# Allegro board LED_FIN.brd (continued)
## Placement (name value [footprint] x y rotation side) (continued)
D6136  0603_LED  [0603_SINGLE]  127.25 288 0 top
D6137  0603_LED  [0603_SINGLE]  129.25 288 0 top
D6138  0603_LED  [0603_SINGLE]  131.25 288 0 top
D6139  0603_LED  [0603_SINGLE]  133.25 288 0 top
D6140  0603_LED  [0603_SINGLE]  135.25 288 0 top
D6141  0603_LED  [0603_SINGLE]  137.25 288 0 top
D6142  0603_LED  [0603_SINGLE]  139.25 288 0 top
D6143  0603_LED  [0603_SINGLE]  141.25 288 0 top
D6144  0603_LED  [0603_SINGLE]  143.25 288 0 top
D6145  0603_LED  [0603_SINGLE]  145.25 288 0 top
D6146  0603_LED  [0603_SINGLE]  147.25 288 0 top
D6147  0603_LED  [0603_SINGLE]  149.25 288 0 top
D6148  0603_LED  [0603_SINGLE]  151.25 288 0 top
D6149  0603_LED  [0603_SINGLE]  153.25 288 0 top
D6150  0603_LED  [0603_SINGLE]  155.25 288 0 top
D6151  0603_LED  [0603_SINGLE]  97.25 286 0 top
D6152  0603_LED  [0603_SINGLE]  99.25 286 0 top
D6153  0603_LED  [0603_SINGLE]  101.25 286 0 top
D6154  0603_LED  [0603_SINGLE]  103.25 286 0 top
D6155  0603_LED  [0603_SINGLE]  105.25 286 0 top
D6156  0603_LED  [0603_SINGLE]  107.25 286 0 top
D6157  0603_LED  [0603_SINGLE]  109.25 286 0 top
D6158  0603_LED  [0603_SINGLE]  111.25 286 0 top
D6159  0603_LED  [0603_SINGLE]  113.25 286 0 top
D6160  0603_LED  [0603_SINGLE]  115.25 286 0 top
D6161  0603_LED  [0603_SINGLE]  117.25 286 0 top
D6162  0603_LED  [0603_SINGLE]  119.25 286 0 top
D6163  0603_LED  [0603_SINGLE]  121.25 286 0 top
D6164  0603_LED  [0603_SINGLE]  123.25 286 0 top
D6165  0603_LED  [0603_SINGLE]  125.25 286 0 top
D6166  0603_LED  [0603_SINGLE]  127.25 286 0 top
D6167  0603_LED  [0603_SINGLE]  129.25 286 0 top
D6168  0603_LED  [0603_SINGLE]  131.25 286 0 top
D6169  0603_LED  [0603_SINGLE]  133.25 286 0 top
D6170  0603_LED  [0603_SINGLE]  135.25 286 0 top
D6171  0603_LED  [0603_SINGLE]  137.25 286 0 top
D6172  0603_LED  [0603_SINGLE]  139.25 286 0 top
D6173  0603_LED  [0603_SINGLE]  141.25 286 0 top
D6174  0603_LED  [0603_SINGLE]  143.25 286 0 top
D6175  0603_LED  [0603_SINGLE]  145.25 286 0 top
D6176  0603_LED  [0603_SINGLE]  147.25 286 0 top
D6177  0603_LED  [0603_SINGLE]  149.25 286 0 top
D6178  0603_LED  [0603_SINGLE]  151.25 286 0 top
D6179  0603_LED  [0603_SINGLE]  153.25 286 0 top
D6180  0603_LED  [0603_SINGLE]  155.25 286 0 top
D6181  0603_LED  [0603_SINGLE]  97.25 284 0 top
D6182  0603_LED  [0603_SINGLE]  99.25 284 0 top
D6183  0603_LED  [0603_SINGLE]  101.25 284 0 top
D6184  0603_LED  [0603_SINGLE]  103.25 284 0 top
D6185  0603_LED  [0603_SINGLE]  105.25 284 0 top
D6186  0603_LED  [0603_SINGLE]  107.25 284 0 top
D6187  0603_LED  [0603_SINGLE]  109.25 284 0 top
D6188  0603_LED  [0603_SINGLE]  111.25 284 0 top
D6189  0603_LED  [0603_SINGLE]  113.25 284 0 top
D6190  0603_LED  [0603_SINGLE]  115.25 284 0 top
D6191  0603_LED  [0603_SINGLE]  117.25 284 0 top
D6192  0603_LED  [0603_SINGLE]  119.25 284 0 top
D6193  0603_LED  [0603_SINGLE]  121.25 284 0 top
D6194  0603_LED  [0603_SINGLE]  123.25 284 0 top
D6195  0603_LED  [0603_SINGLE]  125.25 284 0 top
D6196  0603_LED  [0603_SINGLE]  127.25 284 0 top
D6197  0603_LED  [0603_SINGLE]  129.25 284 0 top
D6198  0603_LED  [0603_SINGLE]  131.25 284 0 top
D6199  0603_LED  [0603_SINGLE]  133.25 284 0 top
D6200  0603_LED  [0603_SINGLE]  135.25 284 0 top
D6201  0603_LED  [0603_SINGLE]  137.25 284 0 top
D6202  0603_LED  [0603_SINGLE]  139.25 284 0 top
D6203  0603_LED  [0603_SINGLE]  141.25 284 0 top
D6204  0603_LED  [0603_SINGLE]  143.25 284 0 top
D6205  0603_LED  [0603_SINGLE]  145.25 284 0 top
D6206  0603_LED  [0603_SINGLE]  147.25 284 0 top
D6207  0603_LED  [0603_SINGLE]  149.25 284 0 top
D6208  0603_LED  [0603_SINGLE]  151.25 284 0 top
D6209  0603_LED  [0603_SINGLE]  153.25 284 0 top
D6210  0603_LED  [0603_SINGLE]  155.25 284 0 top
D6211  0603_LED  [0603_SINGLE]  97.25 282 0 top
D6212  0603_LED  [0603_SINGLE]  99.25 282 0 top
D6213  0603_LED  [0603_SINGLE]  101.25 282 0 top
D6214  0603_LED  [0603_SINGLE]  103.25 282 0 top
D6215  0603_LED  [0603_SINGLE]  105.25 282 0 top
D6216  0603_LED  [0603_SINGLE]  107.25 282 0 top
D6217  0603_LED  [0603_SINGLE]  109.25 282 0 top
D6218  0603_LED  [0603_SINGLE]  111.25 282 0 top
D6219  0603_LED  [0603_SINGLE]  113.25 282 0 top
D6220  0603_LED  [0603_SINGLE]  115.25 282 0 top
D6221  0603_LED  [0603_SINGLE]  117.25 282 0 top
D6222  0603_LED  [0603_SINGLE]  119.25 282 0 top
D6223  0603_LED  [0603_SINGLE]  121.25 282 0 top
D6224  0603_LED  [0603_SINGLE]  123.25 282 0 top
D6225  0603_LED  [0603_SINGLE]  125.25 282 0 top
D6226  0603_LED  [0603_SINGLE]  127.25 282 0 top
D6227  0603_LED  [0603_SINGLE]  129.25 282 0 top
D6228  0603_LED  [0603_SINGLE]  131.25 282 0 top
D6229  0603_LED  [0603_SINGLE]  133.25 282 0 top
D6230  0603_LED  [0603_SINGLE]  135.25 282 0 top
D6231  0603_LED  [0603_SINGLE]  137.25 282 0 top
D6232  0603_LED  [0603_SINGLE]  139.25 282 0 top
D6233  0603_LED  [0603_SINGLE]  141.25 282 0 top
D6234  0603_LED  [0603_SINGLE]  143.25 282 0 top
D6235  0603_LED  [0603_SINGLE]  145.25 282 0 top
D6236  0603_LED  [0603_SINGLE]  147.25 282 0 top
D6237  0603_LED  [0603_SINGLE]  149.25 282 0 top
D6238  0603_LED  [0603_SINGLE]  151.25 282 0 top
D6239  0603_LED  [0603_SINGLE]  153.25 282 0 top
D6240  0603_LED  [0603_SINGLE]  155.25 282 0 top
D6241  0603_LED  [0603_SINGLE]  97.25 280 0 top
D6242  0603_LED  [0603_SINGLE]  99.25 280 0 top
D6243  0603_LED  [0603_SINGLE]  101.25 280 0 top
D6244  0603_LED  [0603_SINGLE]  103.25 280 0 top
D6245  0603_LED  [0603_SINGLE]  105.25 280 0 top
D6246  0603_LED  [0603_SINGLE]  107.25 280 0 top
D6247  0603_LED  [0603_SINGLE]  109.25 280 0 top
D6248  0603_LED  [0603_SINGLE]  111.25 280 0 top
D6249  0603_LED  [0603_SINGLE]  113.25 280 0 top
D6250  0603_LED  [0603_SINGLE]  115.25 280 0 top
D6251  0603_LED  [0603_SINGLE]  117.25 280 0 top
D6252  0603_LED  [0603_SINGLE]  119.25 280 0 top
D6253  0603_LED  [0603_SINGLE]  121.25 280 0 top
D6254  0603_LED  [0603_SINGLE]  123.25 280 0 top
D6255  0603_LED  [0603_SINGLE]  125.25 280 0 top
D6256  0603_LED  [0603_SINGLE]  127.25 280 0 top
D6257  0603_LED  [0603_SINGLE]  129.25 280 0 top
D6258  0603_LED  [0603_SINGLE]  131.25 280 0 top
D6259  0603_LED  [0603_SINGLE]  133.25 280 0 top
D6260  0603_LED  [0603_SINGLE]  135.25 280 0 top
D6261  0603_LED  [0603_SINGLE]  137.25 280 0 top
D6262  0603_LED  [0603_SINGLE]  139.25 280 0 top
D6263  0603_LED  [0603_SINGLE]  141.25 280 0 top
D6264  0603_LED  [0603_SINGLE]  143.25 280 0 top
D6265  0603_LED  [0603_SINGLE]  145.25 280 0 top
D6266  0603_LED  [0603_SINGLE]  147.25 280 0 top
D6267  0603_LED  [0603_SINGLE]  149.25 280 0 top
D6268  0603_LED  [0603_SINGLE]  151.25 280 0 top
D6269  0603_LED  [0603_SINGLE]  153.25 280 0 top
D6270  0603_LED  [0603_SINGLE]  155.25 280 0 top
D6271  0603_LED  [0603_SINGLE]  97.25 278 0 top
D6272  0603_LED  [0603_SINGLE]  99.25 278 0 top
D6273  0603_LED  [0603_SINGLE]  101.25 278 0 top
D6274  0603_LED  [0603_SINGLE]  103.25 278 0 top
D6275  0603_LED  [0603_SINGLE]  105.25 278 0 top
D6276  0603_LED  [0603_SINGLE]  107.25 278 0 top
D6277  0603_LED  [0603_SINGLE]  109.25 278 0 top
D6278  0603_LED  [0603_SINGLE]  111.25 278 0 top
D6279  0603_LED  [0603_SINGLE]  113.25 278 0 top
D6280  0603_LED  [0603_SINGLE]  115.25 278 0 top
D6281  0603_LED  [0603_SINGLE]  117.25 278 0 top
D6282  0603_LED  [0603_SINGLE]  119.25 278 0 top
D6283  0603_LED  [0603_SINGLE]  121.25 278 0 top
D6284  0603_LED  [0603_SINGLE]  123.25 278 0 top
D6285  0603_LED  [0603_SINGLE]  125.25 278 0 top
D6286  0603_LED  [0603_SINGLE]  127.25 278 0 top
D6287  0603_LED  [0603_SINGLE]  129.25 278 0 top
D6288  0603_LED  [0603_SINGLE]  131.25 278 0 top
D6289  0603_LED  [0603_SINGLE]  133.25 278 0 top
D6290  0603_LED  [0603_SINGLE]  135.25 278 0 top
D6291  0603_LED  [0603_SINGLE]  137.25 278 0 top
D6292  0603_LED  [0603_SINGLE]  139.25 278 0 top
D6293  0603_LED  [0603_SINGLE]  141.25 278 0 top
D6294  0603_LED  [0603_SINGLE]  143.25 278 0 top
D6295  0603_LED  [0603_SINGLE]  145.25 278 0 top
D6296  0603_LED  [0603_SINGLE]  147.25 278 0 top
D6297  0603_LED  [0603_SINGLE]  149.25 278 0 top
D6298  0603_LED  [0603_SINGLE]  151.25 278 0 top
D6299  0603_LED  [0603_SINGLE]  153.25 278 0 top
D6300  0603_LED  [0603_SINGLE]  155.25 278 0 top
D6301  0603_LED  [0603_SINGLE]  97.25 276 0 top
D6302  0603_LED  [0603_SINGLE]  99.25 276 0 top
D6303  0603_LED  [0603_SINGLE]  101.25 276 0 top
D6304  0603_LED  [0603_SINGLE]  103.25 276 0 top
D6305  0603_LED  [0603_SINGLE]  105.25 276 0 top
D6306  0603_LED  [0603_SINGLE]  107.25 276 0 top
D6307  0603_LED  [0603_SINGLE]  109.25 276 0 top
D6308  0603_LED  [0603_SINGLE]  111.25 276 0 top
D6309  0603_LED  [0603_SINGLE]  113.25 276 0 top
D6310  0603_LED  [0603_SINGLE]  115.25 276 0 top
D6311  0603_LED  [0603_SINGLE]  117.25 276 0 top
D6312  0603_LED  [0603_SINGLE]  119.25 276 0 top
D6313  0603_LED  [0603_SINGLE]  121.25 276 0 top
D6314  0603_LED  [0603_SINGLE]  123.25 276 0 top
D6315  0603_LED  [0603_SINGLE]  125.25 276 0 top
D6316  0603_LED  [0603_SINGLE]  127.25 276 0 top
D6317  0603_LED  [0603_SINGLE]  129.25 276 0 top
D6318  0603_LED  [0603_SINGLE]  131.25 276 0 top
D6319  0603_LED  [0603_SINGLE]  133.25 276 0 top
D6320  0603_LED  [0603_SINGLE]  135.25 276 0 top
D6321  0603_LED  [0603_SINGLE]  137.25 276 0 top
D6322  0603_LED  [0603_SINGLE]  139.25 276 0 top
D6323  0603_LED  [0603_SINGLE]  141.25 276 0 top
D6324  0603_LED  [0603_SINGLE]  143.25 276 0 top
D6325  0603_LED  [0603_SINGLE]  145.25 276 0 top
D6326  0603_LED  [0603_SINGLE]  147.25 276 0 top
D6327  0603_LED  [0603_SINGLE]  149.25 276 0 top
D6328  0603_LED  [0603_SINGLE]  151.25 276 0 top
D6329  0603_LED  [0603_SINGLE]  153.25 276 0 top
D6330  0603_LED  [0603_SINGLE]  155.25 276 0 top
D6331  0603_LED  [0603_SINGLE]  97.25 274 0 top
D6332  0603_LED  [0603_SINGLE]  99.25 274 0 top
D6333  0603_LED  [0603_SINGLE]  101.25 274 0 top
D6334  0603_LED  [0603_SINGLE]  103.25 274 0 top
D6335  0603_LED  [0603_SINGLE]  105.25 274 0 top
D6336  0603_LED  [0603_SINGLE]  107.25 274 0 top
D6337  0603_LED  [0603_SINGLE]  109.25 274 0 top
D6338  0603_LED  [0603_SINGLE]  111.25 274 0 top
D6339  0603_LED  [0603_SINGLE]  113.25 274 0 top
D6340  0603_LED  [0603_SINGLE]  115.25 274 0 top
D6341  0603_LED  [0603_SINGLE]  117.25 274 0 top
D6342  0603_LED  [0603_SINGLE]  119.25 274 0 top
D6343  0603_LED  [0603_SINGLE]  121.25 274 0 top
D6344  0603_LED  [0603_SINGLE]  123.25 274 0 top
D6345  0603_LED  [0603_SINGLE]  125.25 274 0 top
D6346  0603_LED  [0603_SINGLE]  127.25 274 0 top
D6347  0603_LED  [0603_SINGLE]  129.25 274 0 top
D6348  0603_LED  [0603_SINGLE]  131.25 274 0 top
D6349  0603_LED  [0603_SINGLE]  133.25 274 0 top
D6350  0603_LED  [0603_SINGLE]  135.25 274 0 top
D6351  0603_LED  [0603_SINGLE]  137.25 274 0 top
D6352  0603_LED  [0603_SINGLE]  139.25 274 0 top
D6353  0603_LED  [0603_SINGLE]  141.25 274 0 top
D6354  0603_LED  [0603_SINGLE]  143.25 274 0 top
D6355  0603_LED  [0603_SINGLE]  145.25 274 0 top
D6356  0603_LED  [0603_SINGLE]  147.25 274 0 top
D6357  0603_LED  [0603_SINGLE]  149.25 274 0 top
D6358  0603_LED  [0603_SINGLE]  151.25 274 0 top
D6359  0603_LED  [0603_SINGLE]  153.25 274 0 top
D6360  0603_LED  [0603_SINGLE]  155.25 274 0 top
D6361  0603_LED  [0603_SINGLE]  97.25 272 0 top
D6362  0603_LED  [0603_SINGLE]  99.25 272 0 top
D6363  0603_LED  [0603_SINGLE]  101.25 272 0 top
D6364  0603_LED  [0603_SINGLE]  103.25 272 0 top
D6365  0603_LED  [0603_SINGLE]  105.25 272 0 top
D6366  0603_LED  [0603_SINGLE]  107.25 272 0 top
D6367  0603_LED  [0603_SINGLE]  109.25 272 0 top
D6368  0603_LED  [0603_SINGLE]  111.25 272 0 top
D6369  0603_LED  [0603_SINGLE]  113.25 272 0 top
D6370  0603_LED  [0603_SINGLE]  115.25 272 0 top
D6371  0603_LED  [0603_SINGLE]  117.25 272 0 top
D6372  0603_LED  [0603_SINGLE]  119.25 272 0 top
D6373  0603_LED  [0603_SINGLE]  121.25 272 0 top
D6374  0603_LED  [0603_SINGLE]  123.25 272 0 top
D6375  0603_LED  [0603_SINGLE]  125.25 272 0 top
D6376  0603_LED  [0603_SINGLE]  127.25 272 0 top
D6377  0603_LED  [0603_SINGLE]  129.25 272 0 top
D6378  0603_LED  [0603_SINGLE]  131.25 272 0 top
D6379  0603_LED  [0603_SINGLE]  133.25 272 0 top
D6380  0603_LED  [0603_SINGLE]  135.25 272 0 top
D6381  0603_LED  [0603_SINGLE]  137.25 272 0 top
D6382  0603_LED  [0603_SINGLE]  139.25 272 0 top
D6383  0603_LED  [0603_SINGLE]  141.25 272 0 top
D6384  0603_LED  [0603_SINGLE]  143.25 272 0 top
D6385  0603_LED  [0603_SINGLE]  145.25 272 0 top
D6386  0603_LED  [0603_SINGLE]  147.25 272 0 top
D6387  0603_LED  [0603_SINGLE]  149.25 272 0 top
D6388  0603_LED  [0603_SINGLE]  151.25 272 0 top
D6389  0603_LED  [0603_SINGLE]  153.25 272 0 top
D6390  0603_LED  [0603_SINGLE]  155.25 272 0 top
D6391  0603_LED  [0603_SINGLE]  97.25 270 0 top
D6392  0603_LED  [0603_SINGLE]  99.25 270 0 top
D6393  0603_LED  [0603_SINGLE]  101.25 270 0 top
D6394  0603_LED  [0603_SINGLE]  103.25 270 0 top
D6395  0603_LED  [0603_SINGLE]  105.25 270 0 top
D6396  0603_LED  [0603_SINGLE]  107.25 270 0 top
D6397  0603_LED  [0603_SINGLE]  109.25 270 0 top
D6398  0603_LED  [0603_SINGLE]  111.25 270 0 top
D6399  0603_LED  [0603_SINGLE]  113.25 270 0 top
D6400  0603_LED  [0603_SINGLE]  115.25 270 0 top
D6401  0603_LED  [0603_SINGLE]  117.25 270 0 top
D6402  0603_LED  [0603_SINGLE]  119.25 270 0 top
D6403  0603_LED  [0603_SINGLE]  121.25 270 0 top
D6404  0603_LED  [0603_SINGLE]  123.25 270 0 top
D6405  0603_LED  [0603_SINGLE]  125.25 270 0 top
D6406  0603_LED  [0603_SINGLE]  127.25 270 0 top
D6407  0603_LED  [0603_SINGLE]  129.25 270 0 top
D6408  0603_LED  [0603_SINGLE]  131.25 270 0 top
D6409  0603_LED  [0603_SINGLE]  133.25 270 0 top
D6410  0603_LED  [0603_SINGLE]  135.25 270 0 top
D6411  0603_LED  [0603_SINGLE]  137.25 270 0 top
D6412  0603_LED  [0603_SINGLE]  139.25 270 0 top
D6413  0603_LED  [0603_SINGLE]  141.25 270 0 top
D6414  0603_LED  [0603_SINGLE]  143.25 270 0 top
D6415  0603_LED  [0603_SINGLE]  145.25 270 0 top
D6416  0603_LED  [0603_SINGLE]  147.25 270 0 top
D6417  0603_LED  [0603_SINGLE]  149.25 270 0 top
D6418  0603_LED  [0603_SINGLE]  151.25 270 0 top
D6419  0603_LED  [0603_SINGLE]  153.25 270 0 top
D6420  0603_LED  [0603_SINGLE]  155.25 270 0 top
D6421  0603_LED  [0603_SINGLE]  97.25 268 0 top
D6422  0603_LED  [0603_SINGLE]  99.25 268 0 top
D6423  0603_LED  [0603_SINGLE]  101.25 268 0 top
D6424  0603_LED  [0603_SINGLE]  103.25 268 0 top
D6425  0603_LED  [0603_SINGLE]  105.25 268 0 top
D6426  0603_LED  [0603_SINGLE]  107.25 268 0 top
D6427  0603_LED  [0603_SINGLE]  109.25 268 0 top
D6428  0603_LED  [0603_SINGLE]  111.25 268 0 top
D6429  0603_LED  [0603_SINGLE]  113.25 268 0 top
D6430  0603_LED  [0603_SINGLE]  115.25 268 0 top
D6431  0603_LED  [0603_SINGLE]  117.25 268 0 top
D6432  0603_LED  [0603_SINGLE]  119.25 268 0 top
D6433  0603_LED  [0603_SINGLE]  121.25 268 0 top
D6434  0603_LED  [0603_SINGLE]  123.25 268 0 top
D6435  0603_LED  [0603_SINGLE]  125.25 268 0 top
D6436  0603_LED  [0603_SINGLE]  127.25 268 0 top
D6437  0603_LED  [0603_SINGLE]  129.25 268 0 top
D6438  0603_LED  [0603_SINGLE]  131.25 268 0 top
D6439  0603_LED  [0603_SINGLE]  133.25 268 0 top
D6440  0603_LED  [0603_SINGLE]  135.25 268 0 top
D6441  0603_LED  [0603_SINGLE]  137.25 268 0 top
D6442  0603_LED  [0603_SINGLE]  139.25 268 0 top
D6443  0603_LED  [0603_SINGLE]  141.25 268 0 top
D6444  0603_LED  [0603_SINGLE]  143.25 268 0 top
D6445  0603_LED  [0603_SINGLE]  145.25 268 0 top
D6446  0603_LED  [0603_SINGLE]  147.25 268 0 top
D6447  0603_LED  [0603_SINGLE]  149.25 268 0 top
D6448  0603_LED  [0603_SINGLE]  151.25 268 0 top
D6449  0603_LED  [0603_SINGLE]  153.25 268 0 top
D6450  0603_LED  [0603_SINGLE]  155.25 268 0 top
D6451  0603_LED  [0603_SINGLE]  97.25 266 0 top
D6452  0603_LED  [0603_SINGLE]  99.25 266 0 top
D6453  0603_LED  [0603_SINGLE]  101.25 266 0 top
D6454  0603_LED  [0603_SINGLE]  103.25 266 0 top
D6455  0603_LED  [0603_SINGLE]  105.25 266 0 top
D6456  0603_LED  [0603_SINGLE]  107.25 266 0 top
D6457  0603_LED  [0603_SINGLE]  109.25 266 0 top
D6458  0603_LED  [0603_SINGLE]  111.25 266 0 top
D6459  0603_LED  [0603_SINGLE]  113.25 266 0 top
D6460  0603_LED  [0603_SINGLE]  115.25 266 0 top
D6461  0603_LED  [0603_SINGLE]  117.25 266 0 top
D6462  0603_LED  [0603_SINGLE]  119.25 266 0 top
D6463  0603_LED  [0603_SINGLE]  121.25 266 0 top
D6464  0603_LED  [0603_SINGLE]  123.25 266 0 top
D6465  0603_LED  [0603_SINGLE]  125.25 266 0 top
D6466  0603_LED  [0603_SINGLE]  127.25 266 0 top
D6467  0603_LED  [0603_SINGLE]  129.25 266 0 top
D6468  0603_LED  [0603_SINGLE]  131.25 266 0 top
D6469  0603_LED  [0603_SINGLE]  133.25 266 0 top
D6470  0603_LED  [0603_SINGLE]  135.25 266 0 top
D6471  0603_LED  [0603_SINGLE]  137.25 266 0 top
D6472  0603_LED  [0603_SINGLE]  139.25 266 0 top
D6473  0603_LED  [0603_SINGLE]  141.25 266 0 top
D6474  0603_LED  [0603_SINGLE]  143.25 266 0 top
D6475  0603_LED  [0603_SINGLE]  145.25 266 0 top
D6476  0603_LED  [0603_SINGLE]  147.25 266 0 top
D6477  0603_LED  [0603_SINGLE]  149.25 266 0 top
D6478  0603_LED  [0603_SINGLE]  151.25 266 0 top
D6479  0603_LED  [0603_SINGLE]  153.25 266 0 top
D6480  0603_LED  [0603_SINGLE]  155.25 266 0 top
D6481  0603_LED  [0603_SINGLE]  97.25 264 0 top
D6482  0603_LED  [0603_SINGLE]  99.25 264 0 top
D6483  0603_LED  [0603_SINGLE]  101.25 264 0 top
D6484  0603_LED  [0603_SINGLE]  103.25 264 0 top
D6485  0603_LED  [0603_SINGLE]  105.25 264 0 top
D6486  0603_LED  [0603_SINGLE]  107.25 264 0 top
D6487  0603_LED  [0603_SINGLE]  109.25 264 0 top
D6488  0603_LED  [0603_SINGLE]  111.25 264 0 top
D6489  0603_LED  [0603_SINGLE]  113.25 264 0 top
D6490  0603_LED  [0603_SINGLE]  115.25 264 0 top
D6491  0603_LED  [0603_SINGLE]  117.25 264 0 top
D6492  0603_LED  [0603_SINGLE]  119.25 264 0 top
D6493  0603_LED  [0603_SINGLE]  121.25 264 0 top
D6494  0603_LED  [0603_SINGLE]  123.25 264 0 top
D6495  0603_LED  [0603_SINGLE]  125.25 264 0 top
D6496  0603_LED  [0603_SINGLE]  127.25 264 0 top
D6497  0603_LED  [0603_SINGLE]  129.25 264 0 top
D6498  0603_LED  [0603_SINGLE]  131.25 264 0 top
D6499  0603_LED  [0603_SINGLE]  133.25 264 0 top
D6500  0603_LED  [0603_SINGLE]  135.25 264 0 top
D6501  0603_LED  [0603_SINGLE]  137.25 264 0 top
D6502  0603_LED  [0603_SINGLE]  139.25 264 0 top
D6503  0603_LED  [0603_SINGLE]  141.25 264 0 top
D6504  0603_LED  [0603_SINGLE]  143.25 264 0 top
D6505  0603_LED  [0603_SINGLE]  145.25 264 0 top
D6506  0603_LED  [0603_SINGLE]  147.25 264 0 top
D6507  0603_LED  [0603_SINGLE]  149.25 264 0 top
D6508  0603_LED  [0603_SINGLE]  151.25 264 0 top
D6509  0603_LED  [0603_SINGLE]  153.25 264 0 top
D6510  0603_LED  [0603_SINGLE]  155.25 264 0 top
D6511  0603_LED  [0603_SINGLE]  97.25 262 0 top
D6512  0603_LED  [0603_SINGLE]  99.25 262 0 top
D6513  0603_LED  [0603_SINGLE]  101.25 262 0 top
D6514  0603_LED  [0603_SINGLE]  103.25 262 0 top
D6515  0603_LED  [0603_SINGLE]  105.25 262 0 top
D6516  0603_LED  [0603_SINGLE]  107.25 262 0 top
D6517  0603_LED  [0603_SINGLE]  109.25 262 0 top
D6518  0603_LED  [0603_SINGLE]  111.25 262 0 top
D6519  0603_LED  [0603_SINGLE]  113.25 262 0 top
D6520  0603_LED  [0603_SINGLE]  115.25 262 0 top
D6521  0603_LED  [0603_SINGLE]  117.25 262 0 top
D6522  0603_LED  [0603_SINGLE]  119.25 262 0 top
D6523  0603_LED  [0603_SINGLE]  121.25 262 0 top
D6524  0603_LED  [0603_SINGLE]  123.25 262 0 top
D6525  0603_LED  [0603_SINGLE]  125.25 262 0 top
D6526  0603_LED  [0603_SINGLE]  127.25 262 0 top
D6527  0603_LED  [0603_SINGLE]  129.25 262 0 top
D6528  0603_LED  [0603_SINGLE]  131.25 262 0 top
D6529  0603_LED  [0603_SINGLE]  133.25 262 0 top
D6530  0603_LED  [0603_SINGLE]  135.25 262 0 top
D6531  0603_LED  [0603_SINGLE]  137.25 262 0 top
D6532  0603_LED  [0603_SINGLE]  139.25 262 0 top
D6533  0603_LED  [0603_SINGLE]  141.25 262 0 top
D6534  0603_LED  [0603_SINGLE]  143.25 262 0 top
D6535  0603_LED  [0603_SINGLE]  145.25 262 0 top
D6536  0603_LED  [0603_SINGLE]  147.25 262 0 top
D6537  0603_LED  [0603_SINGLE]  149.25 262 0 top
D6538  0603_LED  [0603_SINGLE]  151.25 262 0 top
D6539  0603_LED  [0603_SINGLE]  153.25 262 0 top
D6540  0603_LED  [0603_SINGLE]  155.25 262 0 top
D6541  0603_LED  [0603_SINGLE]  97.25 260 0 top
D6542  0603_LED  [0603_SINGLE]  99.25 260 0 top
D6543  0603_LED  [0603_SINGLE]  101.25 260 0 top
D6544  0603_LED  [0603_SINGLE]  103.25 260 0 top
D6545  0603_LED  [0603_SINGLE]  105.25 260 0 top
D6546  0603_LED  [0603_SINGLE]  107.25 260 0 top
D6547  0603_LED  [0603_SINGLE]  109.25 260 0 top
D6548  0603_LED  [0603_SINGLE]  111.25 260 0 top
D6549  0603_LED  [0603_SINGLE]  113.25 260 0 top
D6550  0603_LED  [0603_SINGLE]  115.25 260 0 top
D6551  0603_LED  [0603_SINGLE]  117.25 260 0 top
D6552  0603_LED  [0603_SINGLE]  119.25 260 0 top
D6553  0603_LED  [0603_SINGLE]  121.25 260 0 top
D6554  0603_LED  [0603_SINGLE]  123.25 260 0 top
D6555  0603_LED  [0603_SINGLE]  125.25 260 0 top
D6556  0603_LED  [0603_SINGLE]  127.25 260 0 top
D6557  0603_LED  [0603_SINGLE]  129.25 260 0 top
D6558  0603_LED  [0603_SINGLE]  131.25 260 0 top
D6559  0603_LED  [0603_SINGLE]  133.25 260 0 top
D6560  0603_LED  [0603_SINGLE]  135.25 260 0 top
D6561  0603_LED  [0603_SINGLE]  137.25 260 0 top
D6562  0603_LED  [0603_SINGLE]  139.25 260 0 top
D6563  0603_LED  [0603_SINGLE]  141.25 260 0 top
D6564  0603_LED  [0603_SINGLE]  143.25 260 0 top
D6565  0603_LED  [0603_SINGLE]  145.25 260 0 top
D6566  0603_LED  [0603_SINGLE]  147.25 260 0 top
D6567  0603_LED  [0603_SINGLE]  149.25 260 0 top
D6568  0603_LED  [0603_SINGLE]  151.25 260 0 top
D6569  0603_LED  [0603_SINGLE]  153.25 260 0 top
D6570  0603_LED  [0603_SINGLE]  155.25 260 0 top
D6571  0603_LED  [0603_SINGLE]  97.25 258 0 top
D6572  0603_LED  [0603_SINGLE]  99.25 258 0 top
D6573  0603_LED  [0603_SINGLE]  101.25 258 0 top
D6574  0603_LED  [0603_SINGLE]  103.25 258 0 top
D6575  0603_LED  [0603_SINGLE]  105.25 258 0 top
D6576  0603_LED  [0603_SINGLE]  107.25 258 0 top
D6577  0603_LED  [0603_SINGLE]  109.25 258 0 top
D6578  0603_LED  [0603_SINGLE]  111.25 258 0 top
D6579  0603_LED  [0603_SINGLE]  113.25 258 0 top
D6580  0603_LED  [0603_SINGLE]  115.25 258 0 top
D6581  0603_LED  [0603_SINGLE]  117.25 258 0 top
D6582  0603_LED  [0603_SINGLE]  119.25 258 0 top
D6583  0603_LED  [0603_SINGLE]  121.25 258 0 top
D6584  0603_LED  [0603_SINGLE]  123.25 258 0 top
D6585  0603_LED  [0603_SINGLE]  125.25 258 0 top
D6586  0603_LED  [0603_SINGLE]  127.25 258 0 top
D6587  0603_LED  [0603_SINGLE]  129.25 258 0 top
D6588  0603_LED  [0603_SINGLE]  131.25 258 0 top
D6589  0603_LED  [0603_SINGLE]  133.25 258 0 top
D6590  0603_LED  [0603_SINGLE]  135.25 258 0 top
D6591  0603_LED  [0603_SINGLE]  137.25 258 0 top
D6592  0603_LED  [0603_SINGLE]  139.25 258 0 top
D6593  0603_LED  [0603_SINGLE]  141.25 258 0 top
D6594  0603_LED  [0603_SINGLE]  143.25 258 0 top
D6595  0603_LED  [0603_SINGLE]  145.25 258 0 top
D6596  0603_LED  [0603_SINGLE]  147.25 258 0 top
D6597  0603_LED  [0603_SINGLE]  149.25 258 0 top
D6598  0603_LED  [0603_SINGLE]  151.25 258 0 top
D6599  0603_LED  [0603_SINGLE]  153.25 258 0 top
D6600  0603_LED  [0603_SINGLE]  155.25 258 0 top
D6601  0603_LED  [0603_SINGLE]  97.25 256 0 top
D6602  0603_LED  [0603_SINGLE]  99.25 256 0 top
D6603  0603_LED  [0603_SINGLE]  101.25 256 0 top
D6604  0603_LED  [0603_SINGLE]  103.25 256 0 top
D6605  0603_LED  [0603_SINGLE]  105.25 256 0 top
D6606  0603_LED  [0603_SINGLE]  107.25 256 0 top
D6607  0603_LED  [0603_SINGLE]  109.25 256 0 top
D6608  0603_LED  [0603_SINGLE]  111.25 256 0 top
D6609  0603_LED  [0603_SINGLE]  113.25 256 0 top
D6610  0603_LED  [0603_SINGLE]  115.25 256 0 top
D6611  0603_LED  [0603_SINGLE]  117.25 256 0 top
D6612  0603_LED  [0603_SINGLE]  119.25 256 0 top
D6613  0603_LED  [0603_SINGLE]  121.25 256 0 top
D6614  0603_LED  [0603_SINGLE]  123.25 256 0 top
D6615  0603_LED  [0603_SINGLE]  125.25 256 0 top
D6616  0603_LED  [0603_SINGLE]  127.25 256 0 top
D6617  0603_LED  [0603_SINGLE]  129.25 256 0 top
D6618  0603_LED  [0603_SINGLE]  131.25 256 0 top
D6619  0603_LED  [0603_SINGLE]  133.25 256 0 top
D6620  0603_LED  [0603_SINGLE]  135.25 256 0 top
D6621  0603_LED  [0603_SINGLE]  137.25 256 0 top
D6622  0603_LED  [0603_SINGLE]  139.25 256 0 top
D6623  0603_LED  [0603_SINGLE]  141.25 256 0 top
D6624  0603_LED  [0603_SINGLE]  143.25 256 0 top
D6625  0603_LED  [0603_SINGLE]  145.25 256 0 top
D6626  0603_LED  [0603_SINGLE]  147.25 256 0 top
D6627  0603_LED  [0603_SINGLE]  149.25 256 0 top
D6628  0603_LED  [0603_SINGLE]  151.25 256 0 top
D6629  0603_LED  [0603_SINGLE]  153.25 256 0 top
D6630  0603_LED  [0603_SINGLE]  155.25 256 0 top
D6631  0603_LED  [0603_SINGLE]  97.25 254 0 top
D6632  0603_LED  [0603_SINGLE]  99.25 254 0 top
D6633  0603_LED  [0603_SINGLE]  101.25 254 0 top
D6634  0603_LED  [0603_SINGLE]  103.25 254 0 top
D6635  0603_LED  [0603_SINGLE]  105.25 254 0 top
D6636  0603_LED  [0603_SINGLE]  107.25 254 0 top
D6637  0603_LED  [0603_SINGLE]  109.25 254 0 top
D6638  0603_LED  [0603_SINGLE]  111.25 254 0 top
D6639  0603_LED  [0603_SINGLE]  113.25 254 0 top
D6640  0603_LED  [0603_SINGLE]  115.25 254 0 top
D6641  0603_LED  [0603_SINGLE]  117.25 254 0 top
D6642  0603_LED  [0603_SINGLE]  119.25 254 0 top
D6643  0603_LED  [0603_SINGLE]  121.25 254 0 top
D6644  0603_LED  [0603_SINGLE]  123.25 254 0 top